# Altium PCB WL_RFFC.PcbDoc (part 3 of 3)
Units mm, origin at the board's own origin, x right, y up, seen from the top; angles counter-clockwise.
Board outline 175.23 x 130 mm, 2 copper layers (Top Layer, Bottom Layer), stack 1.57 mm thick; 373 components, 223 nets, 1150 pads, 1060 vias.
Unrouted connection lines stored in the file: 1.
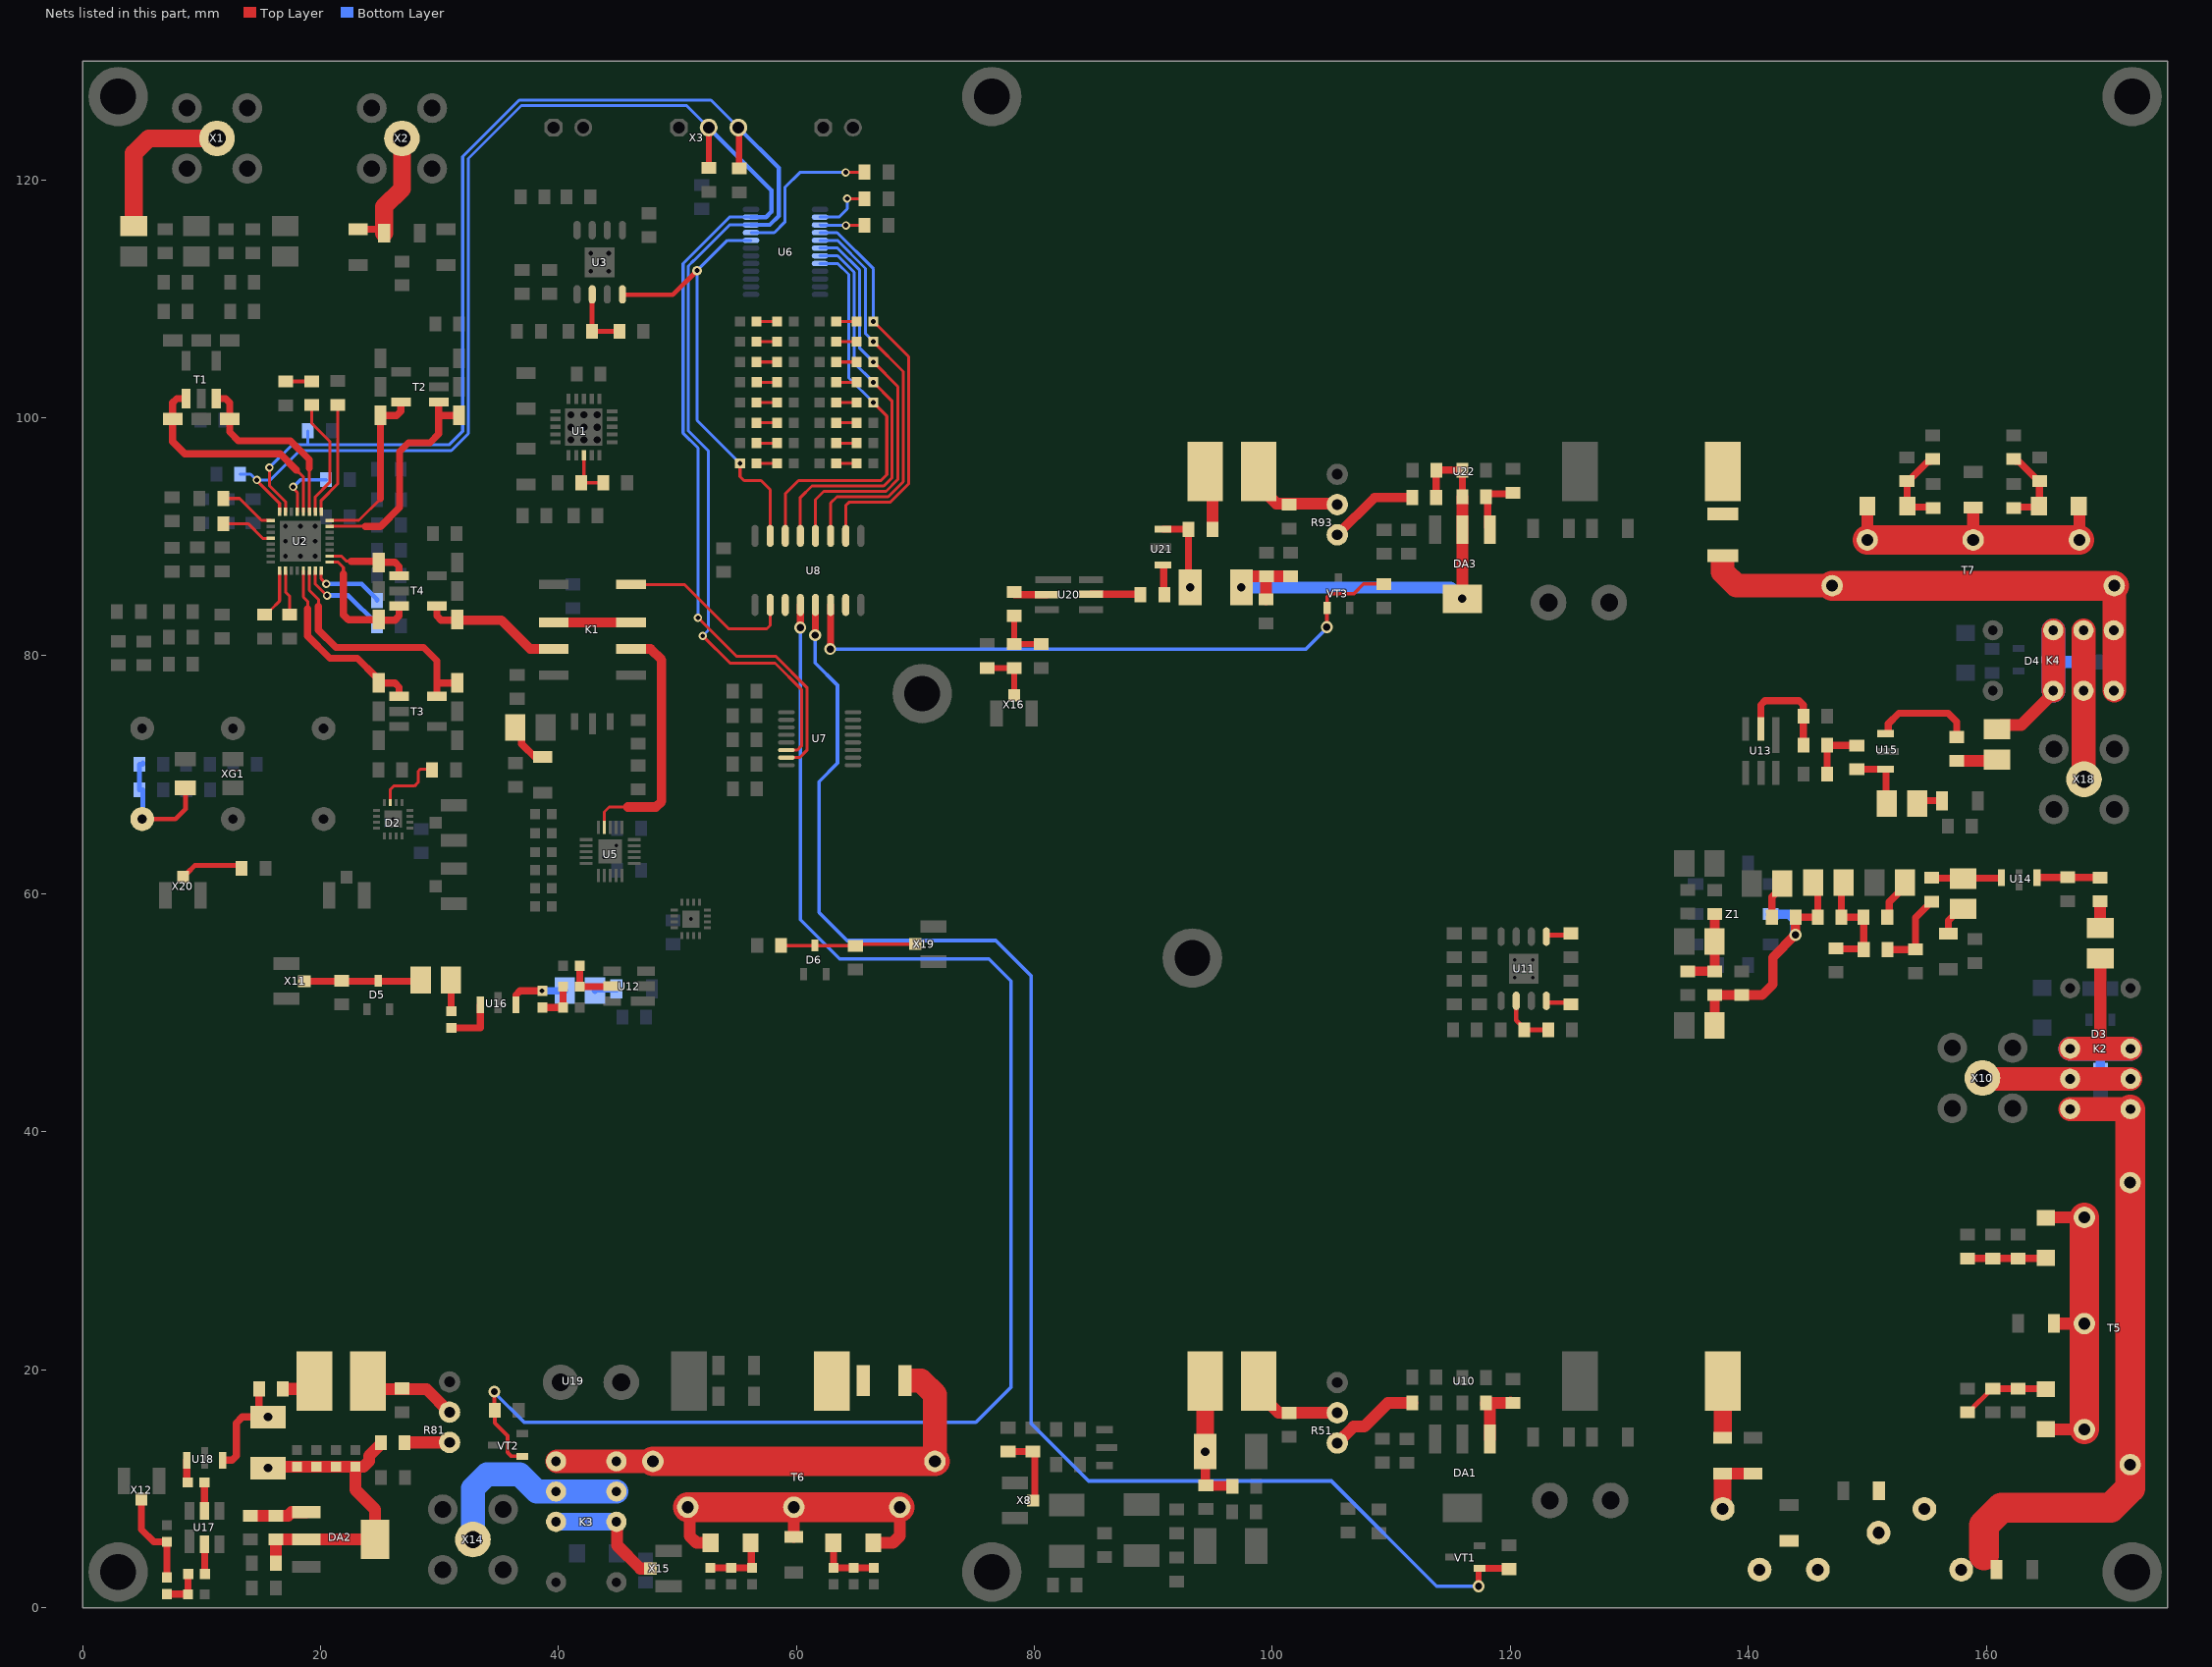
[diagram p3: the nets of this part, all layers, seen from the top]

## Via types
v1: diameter 0.6, hole 0.5, Top Layer to Bottom Layer, tented both sides, 413 vias
v2: diameter 0.6, hole 0.3, Top Layer to Bottom Layer, 380 vias
v3: diameter 1, hole 0.6, Top Layer to Bottom Layer, tented both sides, 135 vias
v4: diameter 0.7, hole 0.4, Top Layer to Bottom Layer, tented both sides, 63 vias
v5: diameter 1.2, hole 0.7, Top Layer to Bottom Layer, tented both sides, 51 vias
v6: diameter 1.27, hole 0.711, Top Layer to Bottom Layer, 12 vias
v7: diameter 0.8, hole 0.5, Top Layer to Bottom Layer, tented both sides, 2 vias
v8: diameter 0.6, hole 0.3, Top Layer to Bottom Layer, tented both sides, 1 vias
v9: diameter 0.8, hole 0.4, Top Layer to Bottom Layer, tented both sides, 1 vias
v10: diameter 1.2, hole 0.6, Top Layer to Bottom Layer, tented both sides, 1 vias
v11: diameter 1.3, hole 0.8, Top Layer to Bottom Layer, tented both sides, 1 vias

## Nets (pads, with @x,y where several pads share a name; then routed paths per layer and width w, separated by ;. In a path a pad name is that pad's centre, name@x,y a point inside that pad or via, vN(x,y) a via of type N, cw(c..) or ccw(c..) an arc to the next point about the centre after c; other vN are vias at no path point) (continued)
NetC73_2: C73.2 C76.2 L8.1 U10.1 | length 11.1
  Top Layer w0.8: v6(94.346,13.12) 94.381,13.085 94.381,10.319 C73.2@94.415,10.285 94.462,10.238 96.59,10.238 C76.2@96.637,10.191
  Top Layer w1.5: v6(94.346,13.12) 94.348,13.122 94.348,19.048 U10.1@94.35,19.05
NetC78_2: C78.2 R51.2 U10.2 | length 8.3
  Top Layer w1: U10.2@98.85,19.05 98.85,18.05 100.52,16.38 R51.2@105.453,16.38
NetC80_1: C80.1 C81.2 L9.1 | length 5
  Top Layer w1: C80.1@137.836,11.266 C81.2@140.391,11.266
  Top Layer w1.5: L9.1@137.843,8.298 C80.1@137.843,10.792
NetC80_2: C80.2 U10.4 | length 4.3
  Top Layer w1.5: 137.85,14.775 U10.4@137.85,19.05
NetC82_2: C82.2 L9.2 L10.1
NetC83_2: C83.2 L10.2 L11.1
NetC84_2: C84.2 L11.2 T5.1 | length 18.1
  Top Layer w2.5: 159.8,4.4 159.8,6.936 161.264,8.4 170.45,8.4 172.088,10.038 T5.1@172.088,12.025
NetC85_2: C85.2 R53.1 R54.2 VD18.2 | length 8.1
  Top Layer w0.2: R53.1@158.427,16.412 158.539,16.412 158.939,16.812 R53.1@158.939,16.882 ; C85.2@160.023,18.008 160.023,18.012 160.423,18.412 C85.2@160.548,18.412
  Top Layer w0.4: R53.1@158.939,16.882 160.123,18.066 160.123,18.112 160.423,18.412 C85.2@160.548,18.412
  Top Layer w0.6: C85.2@160.584,18.399 164.968,18.399 VD18.2@165.001,18.367
NetC86_1: C86.1 R56.1 R57.1 VD19.2 | length 6.5
  Top Layer w0.6: R57.1@158.414,29.353 C86.1@160.548,29.353 ; C86.1@160.625,29.366 164.959,29.366 VD19.2@165.001,29.408
NetC91_1: C91.1 C93.2 C94.2 L13.1 | length 7.1
  Top Layer w0.8: C93.2@134.897,53.486 C94.2@137.179,53.486 C91.1@137.179,58.302
NetC92_2: C92.2 U11.1 | length 2.2
  Top Layer w0.4: U11.1@123.03,56.4 123.03,56.443 123.122,56.536 124.962,56.536 C92.2@125.098,56.672
NetC94_1: C94.1 C95.2 C98.2 C100.1 L14.1 L16.1 Z1.2 | length 22.5
  Top Layer w0.6: C98.2@143.984,58.035 C100.1@145.824,58.035 145.84,58.05 L16.1@145.84,60.912
  Top Layer w0.8: L14.1@137.162,48.945 137.15,48.957 137.171,48.978 137.171,51.477 C94.1@137.179,51.486 C95.2@139.431,51.486 141.161,51.486 142.05,52.375 142.05,54.642 v3(143.956,56.549) 143.97,56.562 143.97,58.021 C98.2@143.984,58.035
  Bottom Layer w0.8: Z1.2@141.871,58.286 143.414,58.286 143.918,57.782 143.918,56.587 v3(143.956,56.549)
NetC98_1: C98.1 L15.1 | length 3.2
  Top Layer w0.6: C98.1@141.984,58.035 141.984,59.716 142.848,60.58 L15.1@142.848,60.85
NetC100_2: C100.2 C101.2 L16.2 R61.1 R64.2 | length 9
  Top Layer w0.6: R61.1@147.353,55.412 147.403,55.362 149.643,55.362 R64.2@149.684,55.321 ; L16.2@147.824,60.076 C100.2@147.824,58.035 C101.2@149.675,58.035 149.684,58.026 R64.2@149.684,55.321 ; R64.2@149.693,55.312 R64.2@149.684,55.321
NetC101_1: C101.1 L17.2 | length 2.6
  Top Layer w0.6: C101.1@151.841,57.925 151.841,59.322 L17.2@152.706,60.186
NetC102_1: C102.1 R65.1 R68.1 | length 4.9
  Top Layer w0.6: R68.1@146.629,70.058 R65.1@146.629,72.494 146.644,72.479 149.106,72.479 C102.1@149.121,72.464
NetC102_2: C102.2 L19.2 U15.3 | length 5.4
  Top Layer w0.6: C102.2@149.121,70.464 149.125,70.461 U15.3@151.527,70.461 151.577,70.461 151.577,67.622 L19.2@151.627,67.572
NetC103_1: C103.1 R66.1 R69.1 | length 3.5
  Top Layer w0.6: C103.1@38.647,50.448 38.649,50.45 40.385,50.45 R69.1@40.387,50.451 R66.1@40.387,52.196
NetC103_2: C103.2 L20.2 U16.3 | length 5.1
  Top Layer w0.6: U16.3@36.431,50.651 36.431,51.496 36.782,51.848 C103.2@38.647,51.848
  Bottom Layer w0.6: v4(38.616,51.845) 40.508,51.845 L20.2@40.522,51.859
NetC104_1: C104.1 R64.1 R67.1 | length 7
  Top Layer w0.6: R64.1@151.693,55.312 151.7,55.319 154.04,55.319 R67.1@154.047,55.327 154.047,57.993 155.072,59.017 155.072,59.142 155.272,59.342 C104.1@155.397,59.342
NetC104_2: C104.2 L18.2 U14.3 | length 6.1
  Top Layer w0.6: C104.2@155.522,61.342 C104.2@155.397,61.342 155.434,61.305 158.019,61.305 L18.2@158.056,61.267 158.106,61.317 161.257,61.317 U14.3@161.257,61.367
NetC105_2: C105.2 C107.1 U14.1 | length 5.3
  Top Layer w0.6: U14.1@164.257,61.367 164.257,61.373 C105.2@166.841,61.373 ; C105.2@166.841,61.273 C105.2@166.847,61.279 ; C105.2@166.847,61.379 166.853,61.373 169.55,61.373 C107.1@169.556,61.367
NetC106_1: C106.1 U16.1 | length 4.4
  Top Layer w0.6: C106.1@30.994,48.727 33.457,48.727 33.431,48.754 U16.1@33.431,50.651
NetC106_2: C106.2 L23.2 | length 2.6
  Top Layer w0.6: L23.2@30.974,52.756 30.984,52.746 30.984,50.138 C106.2@30.994,50.127
NetC107_2: C107.2 L21.2 | length 2.3
  Top Layer w1: C107.2@169.556,59.367 169.569,59.367 169.569,57.138 L21.2@169.582,57.125
NetC108_1: C108.1 U15.1 | length 8.8
  Top Layer w0.6: U15.1@151.527,73.461 151.765,73.461 151.765,74.296 152.648,75.179 156.796,75.179 157.513,74.462 C108.1@157.513,73.172
NetC108_2: C108.2 L22.2 | length 3.4
  Top Layer w1: C108.2@157.513,71.172 160.788,71.172 L22.2@160.901,71.285
NetC112_1: C112.1 U17.2 | length 2.1
  Top Layer w0.6: C112.1@10.271,2.821 U17.2@10.271,4.884
NetC112_2: C112.2 R76.1 R77.2 | length 3.5
  Top Layer w0.6: R76.1@7.092,1.143 7.102,1.133 8.858,1.133 R77.2@8.868,1.124 8.875,1.131 8.875,2.814 C112.2@8.882,2.821
NetC113_1: C113.1 U18.1 | length 1.9
  Top Layer w0.6: U18.1@8.775,12.4 8.775,10.605 C113.1@8.856,10.524
NetC113_2: C113.2 U17.5 | length 1.9
  Top Layer w0.6: U17.5@10.239,8.583 C113.2@10.239,10.524
NetC114_2: C114.2 C115.1 C116.2 C117.1 C118.1 DA2.2 DA2.4 FB5.1 L24.2 R79.2 | length 27.6
  Top Layer w1: v6(15.592,11.731) 15.705,11.844 C114.2@18.029,11.844 C115.1@19.667,11.844 C117.1@21.304,11.844 C118.1@22.941,11.844 ; C116.2@16.253,3.928 R79.2@16.253,5.732 16.378,5.732 16.383,5.727 DA2.2@18.794,5.727 DA2.4@24.594,5.727 24.594,8.256 22.941,9.909 C118.1@22.941,11.844 ; FB5.1@25.069,13.865 25.069,13.74 24.098,12.769 24.098,12.323 23.619,11.844 C118.1@22.941,11.844
NetC119_1: C119.1 U19.1 | length 2.9
  Top Layer w1: C119.1@16.835,18.382 18.816,18.382 U19.1@19.484,19.05
NetC119_2: C119.2 L24.1 U18.3 | length 9.6
  Top Layer w0.6: U18.3@11.775,12.4 12.574,12.4 12.925,12.751 12.925,15.525 13.431,16.031 L24.1@15.485,16.031 ; C119.2@14.835,18.382 14.835,16.681 L24.1@15.485,16.031 ; v6(15.592,16.031) L24.1@15.485,16.031
NetC120_2: C120.2 R81.2 U19.2 | length 7.9
  Top Layer w1: U19.2@23.984,19.05 24.659,18.375 26.925,18.375 28.903,18.375 R81.2@30.847,16.431
NetC125_1: C125.1 T6.1 | length 8.2
  Top Layer w2: C125.1@69.588,19.093 70.467,19.093 71.638,17.921 T6.1@71.638,12.296
NetC125_2: C125.2 U19.4
NetC126_2: C126.2 R83.1 R84.2 VD21.2 | length 5.5
  Top Layer w0.6: VD21.2@63.106,5.451 63.114,5.444 63.114,3.361 R84.2@63.121,3.354 C126.2@64.812,3.354 R83.1@66.503,3.354
NetC127_1: C127.1 R86.1 R87.1 VD22.2 | length 5.6
  Top Layer w0.6: C127.1@52.771,3.354 R86.1@54.517,3.354 R87.1@56.264,3.354 56.203,3.415 56.203,5.39 VD22.2@56.142,5.451
NetC129_1: C129.1 U20.2 | length 2.8
  Top Layer w0.6: C129.1@78.303,85.146 78.307,85.141 U20.2@81.054,85.141
NetC129_2: C129.2 R88.1 R89.2 | length 4.7
  Top Layer w0.5: R88.1@78.297,80.975 C129.2@78.296,83.362 ; R88.1@78.297,80.975 R89.2@80.564,80.975
NetC130_1: C130.1 U21.1 | length 2.6
  Top Layer w0.6: U21.1@90.815,87.637 90.865,87.637 90.865,85.187 C130.1@90.915,85.137
NetC130_2: C130.2 U20.5 | length 4.2
  Top Layer w0.6: U20.5@84.753,85.173 88.88,85.173 C130.2@88.915,85.137
NetC131_2: C131.2 C132.1 C133.2 C134.1 C135.1 DA3.2 DA3.4 FB6.1 L25.2 R91.2 | length 40.9
  Top Layer w0.6: FB6.1@113.76,93.3 113.769,93.309 113.769,95.598 C131.2@113.779,95.607 C133.2@115.963,95.607 115.969,95.601 R91.2@115.969,93.353
  Top Layer w1: v6(97.392,85.749) 97.392,86.224 97.842,86.674 C134.1@99.47,86.674 ; C132.1@99.47,84.729 C134.1@99.47,86.674 ; C135.1@101.53,86.674 C134.1@99.497,86.674 C134.1@99.47,86.674 ; R91.2@115.956,93.353 115.956,84.819 DA3.4@115.975,84.8
  Bottom Layer w1: v6@97.465,85.749 114.988,85.749 v5(115.937,84.8)
NetC136_1: C136.1 U22.1 | length 5.1
  Top Layer w1: U22.1@94.35,95.5 94.954,94.896 C136.1@94.954,90.626
NetC136_2: C136.2 L25.1 U21.3 | length 7.1
  Top Layer w0.6: U21.3@90.815,90.637 92.943,90.637 C136.2@92.954,90.626 92.954,85.887 v6(93.092,85.749)
NetC137_2: C137.2 R93.2 U22.2 | length 8.3
  Top Layer w1: U22.2@98.671,95.455 98.671,94.455 100.341,92.785 R93.2@105.274,92.785
NetC142_1: C142.1 T7.1 | length 10.6
  Top Layer w2: C142.1@137.835,87.931 137.835,87.063 139.007,85.891 T7.1@147.046,85.891
NetC142_2: C142.2 U22.4
NetC143_2: C143.2 R95.1 R96.2 VD24.2 | length 7.3
  Top Layer w0.6: R95.1@155.499,96.535 155.299,96.335 155.104,96.335 153.452,94.682 R96.2@153.327,94.682 153.339,94.67 153.339,92.6 VD24.2@153.351,92.588 153.429,92.509 155.447,92.509 C143.2@155.526,92.431
NetC144_1: C144.1 R98.1 R99.1 VD25.2 | length 7.3
  Top Layer w0.6: C144.1@162.289,92.431 162.367,92.509 164.349,92.509 VD25.2@164.428,92.588 164.463,92.623 164.463,94.647 R98.1@164.498,94.682 164.373,94.682 162.72,96.335 162.489,96.335 R99.1@162.289,96.535
NetC147_2: C147.2 X20.1 | length 5.5
  Top Layer w0.3: X20.1@8.45,61.387 8.45,61.412 8.8,61.763 X20.1@8.825,61.763 ; C147.2@13.025,62.2 C147.2@13.375,61.85
  Top Layer w0.4: X20.1@8.825,61.763 9.437,62.375 C147.2@13.025,62.375
NetC148_2: C148.2 D6.3 R28.2 X19.1 | length 11.4
  Top Layer w0.3: C148.2@58.7,55.65 D6.3@61.55,55.65 64.925,55.65 R28.2@64.95,55.625 65.1,55.775 X19.1@69.988,55.775
NetD5_3: D5.3 L23.1 R75.2 X11.1 | length 9.8
  Top Layer w0.6: X11.1@18.655,52.652 28.32,52.652 L23.1@28.424,52.756
NetDA1_1: DA1.1 R49.1 R50.2 | length 5.2
  Top Layer w1: DA1.1@118.275,14.175 118.275,16.78 117.963,17.092 R49.1@117.963,17.217 118.275,17.217 119.995,17.217 R50.2@119.995,17.229
NetDA2_1: DA2.1 R79.1 R80.2 | length 4.8
  Top Layer w1: R80.2@14.116,7.732 R79.1@16.253,7.732 17.27,7.732 17.565,8.027 DA2.1@18.794,8.027
NetDA3_1: DA3.1 R91.1 R92.2 | length 5.3
  Top Layer w0.6: DA3.1@118.275,90.6 118.1,90.775 118.1,93.209 R91.1@117.956,93.353 117.956,93.407 118.156,93.607 120.111,93.607 R92.2@120.211,93.707
NetFB4_2: FB4.2 R51.1 | length 7.7
  Top Layer w1: R51.1@105.453,13.84 106.831,15.217 107.708,15.217 109.708,17.217 FB4.2@111.76,17.217
NetFB5_2: FB5.2 R81.1 | length 3.8
  Top Layer w1: FB5.2@27.069,13.865 27.069,13.891 R81.1@30.847,13.891
NetFB6_2: FB6.2 R93.1 | length 7.5
  Top Layer w0.8: R93.1@105.453,90.169 108.584,93.3 FB6.2@111.691,93.3
NetK1_2: K1.2 K1.7 | length 6.5
  Top Layer w0.8: K1.2@39.607,82.8 K1.7@46.107,82.8
NetK1_6: K1.6 U5.14 | length 21.3
  Top Layer w0.25: U5.14@43.85,65.575 43.85,66.875 44.262,67.287 45.837,67.287
  Top Layer w0.8: 45.837,67.287 48.193,67.287 48.661,67.756 48.661,79.655 47.741,80.575 K1.6@46.107,80.575
NetK2_4: K2.4 X10.1 | length 12.3
  Top Layer w2: X10.1@159.825,44.516 159.896,44.445 K2.4@166.978,44.445 ; K2.4@167.043,44.442 K2.4@172.123,44.442
NetK2_5: K2.5 T5.5 | length 11.2
  Top Layer w2: K2.5@167.043,41.902 K2.5@172.123,41.902
  Top Layer w2.5: T5.5@172.088,35.725 K2.5@172.088,41.867
NetK3_3: K3.3 X15.1 | length 10.7
  Top Layer w1: K3.3@44.876,7.221 44.925,7.173 44.925,5.25 46.89,3.285 X15.1@47.726,3.285
  Bottom Layer w1.5: K3.3@39.796,7.221 K3.3@44.876,7.221
NetK3_4: K3.4 X14.1 | length 17.4
  Bottom Layer w2: X14.1@32.814,5.727 32.814,10.028 33.985,11.2 36.733,11.2 38.172,9.761 K3.4@39.796,9.761 K3.4@44.876,9.761
NetK3_5: K3.5 T6.5 | length 8
  Top Layer w2: K3.5@39.902,12.296 T6.5@47.938,12.296
NetK4_4: K4.4 X18.1 | length 12.5
  Top Layer w2: K4.4@168.171,82.146 K4.4@168.171,77.066 168.171,69.664 X18.1@168.211,69.624
NetK4_5: K4.5 T7.5 | length 8.8
  Top Layer w2: K4.5@170.746,77.101 T7.5@170.746,85.891
NetL1_1: L1.1 X1.1 | length 13.6
  Top Layer w1.5: L1.1@4.316,116.105 4.316,122.241 5.562,123.487 X1.1@11.308,123.487
NetL4_1: L4.1 R22.1 | length 3.3
  Top Layer w0.6: L4.1@36.361,73.983 36.911,73.433 36.911,72.599 R22.1@38.117,71.392
NetL18_1: L18.1 R70.1 | length 2.8
  Top Layer w0.6: R70.1@156.807,56.662 156.807,57.737 157.786,58.717 L18.1@158.056,58.717
  Top Layer w1: L18.1@158.014,58.674 L18.1@158.056,58.717
NetL19_1: L19.1 R71.1 | length 2.2
  Top Layer w0.6: L19.1@154.177,67.572 154.43,67.825 R71.1@156.28,67.825
NetL20_1: L20.1 R72.1 | length 1.9
  Bottom Layer w0.6: L20.1@43.072,51.859 43.209,51.996 R72.1@44.867,51.996
NetR1_1: R1.1 R4.1 X2.1 | length 10.8
  Top Layer w0.6: R1.1@23.171,115.847 25.15,115.847 R4.1@25.35,115.647
  Top Layer w1.5: R4.1@25.35,115.52 25.35,115.647 25.35,117.75 26.85,119.25 X2.1@26.85,123.487
NetR2_1: R2.1 R3.2 U1.3 | length 4.3
  Top Layer w0.3: U1.3@42.15,96.85 42.15,94.767 R2.1@41.919,94.536 R3.2@43.776,94.536
NetR6_1: R6.1 U2.1 | length 4.8
  Top Layer w0.25: R6.1@11.824,93.223 13.202,93.223 15.047,91.378 U2.1@15.838,91.378
NetR7_1: R7.1 U2.15 | length 7.8
  Top Layer w0.25: U2.15@19.563,87.153 19.563,86.026 20.539,85.05 v4@20.55,85.05
  Bottom Layer w0.4: v4@20.57,85.063 22.342,85.063 24.756,82.65 R7.1@24.756,82.525
  other v4: 20.545,85.063
NetR8_1: R8.1 U2.16 | length 6
  Top Layer w0.25: U2.16@20.063,87.153 20.063,86.462 v4@20.4,86.125
  Bottom Layer w0.4: v4@20.527,86.042 23.463,86.042 24.738,84.768 R8.1@24.738,84.643
  other v4: 20.502,86.042
NetR9_1: R9.1 U2.25 | length 9.6
  Top Layer w0.25: U2.25@20.063,92.103 20.063,93.063 21.439,94.439 R9.1@21.439,101.093
NetR10_1: R10.1 U2.29 | length 5.2
  Top Layer w0.25: v4(17.7,94.2) 17.7,94.078 18.063,93.715 U2.29@18.063,92.103
  Bottom Layer w0.3: v4@17.725,94.2 18.321,94.796 R10.1@20.464,94.796
NetR11_1: R11.1 U2.4 | length 4.5
  Top Layer w0.25: R11.1@11.824,91.108 13.917,91.108 15.147,89.878 U2.4@15.838,89.878
NetR12_1: R12.1 U2.26 | length 10.1
  Top Layer w0.25: R12.1@19.269,101.067 19.269,99.531 20.775,98.025 20.775,94.575 19.563,93.363 U2.26@19.563,92.103
NetR12_2: R12.2 VD1.1 | length 2.2
  Top Layer w0.3: VD1.1@17.078,103.055 17.09,103.067 R12.2@19.269,103.067
NetR13_1: R13.1 U2.9 | length 4.3
  Top Layer w0.25: R13.1@15.305,83.454 15.43,83.454 15.805,83.829 15.805,83.843 16.563,84.602 U2.9@16.563,87.153
NetR18_2: R18.2 R19.2 XG1.1@5.023,66.282 XG1.1@8.648,68.902 | length 10.5
  Top Layer w0.4: XG1.1@5.023,66.282 7.807,66.282 8.648,67.123 XG1.1@8.648,68.902
  Bottom Layer w0.4: R18.2@4.785,68.735 R19.2@4.785,70.878 ; XG1.1@5.048,66.282 5.059,66.293 R18.2@5.059,68.735 ; R19.2@5.059,70.879 R19.2@5.059,71.004
NetR20_1: R20.1 R21.2 U3.6 | length 5.4
  Top Layer w0.4: U3.6@42.834,110.376 42.832,110.375 42.832,107.283 R20.1@42.831,107.281 R21.2@45.129,107.281
NetR25_2: R25.2 U6.21 | length 13.3
  Top Layer w0.25: v4(64.145,120.632) 65.7,120.632 R25.2@65.731,120.663
  Bottom Layer w0.25: U6.21@56.183,115.566 58.141,115.566 59.025,116.45 59.025,119.35 60.325,120.65 v4@64.1,120.65
NetR26_2: R26.2 U6.2 | length 4.9
  Top Layer w0.25: v4(64.269,118.424) 65.726,118.424 R26.2@65.731,118.419
  Bottom Layer w0.25: U6.2@61.983,116.866 63.566,116.866 64.269,117.569 v4(64.269,118.424)
NetR27_2: R27.2 U6.3 | length 3.8
  Top Layer w0.25: v4(64.162,116.169) 65.709,116.169 R27.2@65.731,116.191
  Bottom Layer w0.25: U6.3@61.983,116.216 62.006,116.192 64.139,116.192 v4(64.162,116.169)
NetR30_2: R30.2 VD2.1 | length 1.7
  Top Layer w0.25: VD2.1@63.341,108.101 R30.2@65.059,108.101
NetR31_2: R31.2 VD3.1 | length 1.7
  Top Layer w0.25: VD3.1@63.341,106.397 R31.2@65.059,106.397
NetR32_2: R32.2 VD4.1 | length 1.7
  Top Layer w0.25: VD4.1@63.341,104.692 R32.2@65.059,104.692
NetR33_2: R33.2 VD5.1 | length 1.7
  Top Layer w0.25: VD5.1@63.341,102.988 R33.2@65.059,102.988
NetR34_2: R34.2 VD6.1 | length 1.7
  Top Layer w0.25: VD6.1@63.341,101.283 R34.2@65.059,101.283
NetR35_2: R35.2 VD7.1 | length 1.7
  Top Layer w0.25: VD7.1@63.341,99.579 R35.2@65.059,99.579
NetR36_2: R36.2 VD8.1 | length 1.7
  Top Layer w0.25: VD8.1@63.341,97.874 R36.2@65.059,97.874
NetR37_2: R37.2 VD9.1 | length 1.7
  Top Layer w0.25: VD9.1@63.346,96.175 R37.2@65.059,96.175
NetR38_2: R38.2 VD10.1 | length 1.7
  Top Layer w0.25: R38.2@56.65,108.101 VD10.1@58.383,108.101
NetR39_2: R39.2 VD11.1 | length 1.7
  Top Layer w0.25: R39.2@56.65,106.397 VD11.1@58.383,106.397
NetR40_2: R40.2 VD12.1 | length 1.7
  Top Layer w0.25: R40.2@56.65,104.692 VD12.1@58.383,104.692
NetR41_2: R41.2 VD13.1 | length 1.7
  Top Layer w0.25: R41.2@56.659,102.988 VD13.1@58.383,102.988
NetR42_2: R42.2 VD14.1 | length 1.7
  Top Layer w0.25: R42.2@56.65,101.288 VD14.1@58.383,101.288
NetR43_2: R43.2 VD15.1 | length 1.7
  Top Layer w0.25: R43.2@56.65,99.583 VD15.1@58.383,99.583
NetR44_2: R44.2 VD16.1 | length 1.7
  Top Layer w0.25: R44.2@56.65,97.879 VD16.1@58.383,97.879
NetR45_2: R45.2 VD17.1 | length 1.7
  Top Layer w0.25: R45.2@56.65,96.175 VD17.1@58.383,96.175
NetR46_2: R46.2 R47.2 X8.1 | length 6.3
  Top Layer w0.6: R46.2@77.787,13.127 R47.2@79.883,13.127 80.035,12.975 80.035,9.144 X8.1@79.894,9.003
NetR55_2: R55.2 T5.3 | length 2.6
  Top Layer w1: R55.2@165.668,23.89 165.668,23.875 T5.3@168.238,23.875
NetR58_1: R58.1 U11.8 | length 2.2
  Top Layer w0.4: U11.8@123.03,51 123.03,50.943 123.122,50.85 124.948,50.85 R58.1@125.098,50.701
NetR59_1: R59.1 R60.2 U11.6 | length 4.7
  Top Layer w0.4: U11.6@120.49,51 120.49,49.374 121.174,48.69 R59.1@121.174,48.565 R60.2@123.172,48.565
NetR62_1: R62.1 R65.2 U13.2 | length 8.9
  Top Layer w0.6: U13.2@141.042,73.857 141.042,75.874 141.393,76.225 144.274,76.225 144.625,75.874 144.625,75.575 ; R62.1@144.429,75.13 R62.1@144.629,74.93 R65.2@144.629,72.494 R65.2@144.625,72.49
NetR63_1: R63.1 R66.2 U12.5 | length 4.4
  Top Layer w0.6: R63.1@41.787,53.941 R66.2@41.787,52.196 41.791,52.2 U12.5@44.474,52.2
NetR76_2: R76.2 R78.2 X12.1 | length 8.1
  Top Layer w0.6: X12.1@4.952,9.129 4.952,6.573 5.989,5.536 R78.2@7.092,5.536 R76.2@7.092,2.543
NetR85_2: R85.2 T6.3 | length 2.5
  Top Layer w1: R85.2@59.778,5.959 59.788,5.959 T6.3@59.788,8.446
NetR88_2: R88.2 R90.2 X16.1 | length 4.6
  Top Layer w0.5: R90.2@76.031,78.975 R88.2@78.297,78.975 ; X16.1@78.296,76.676 R88.2@78.297,78.975
NetR97_2: R97.2 T7.3 | length 2.7
  Top Layer w1: T7.3@158.896,89.741 158.896,92.451 R97.2@158.909,92.451
NetT1_1: T1.1 U2.27 | length 15.8
  Top Layer w0.25: U2.27@19.063,92.103 19.063,95.687
  Top Layer w0.3: 19.025,95.725 19.063,95.687
  Top Layer w0.6: T1.1@11.241,101.612 12.02,101.612 12.371,101.26 T1.1@12.371,99.902 12.371,98.804 13.1,98.075 17.475,98.075 19.051,96.499 19.051,95.751
NetT1_3: T1.3 U2.28 | length 19.6
  Top Layer w0.25: 17.975,95.625 18.563,95.037 U2.28@18.563,92.103
  Top Layer w0.6: T1.3@7.571,99.796 7.571,98.004 8.6,96.975 16.625,96.975 17.975,95.625 ; T1.3@7.571,99.902 7.571,101.26 7.923,101.612 T1.3@8.701,101.612
NetT2_1: T2.1 U2.23 | length 19.2
  Top Layer w0.25: U2.23@20.788,90.878 23.772,90.878 23.775,90.875
  Top Layer w0.6: 23.775,90.875 25.05,90.875 26.65,92.475 26.65,97.161 27.389,97.9 29.2,97.9 29.94,98.64 29.94,100.551 T2.1@29.94,101.33 ; 30.291,100.2 T2.1@31.65,100.2
NetT2_5: T2.5 U2.24@20.788,91.378 | length 14.7
  Top Layer w0.25: U2.24@20.788,91.378 23.228,91.378 25.05,93.2
  Top Layer w0.6: 25.05,93.2 T2.5@25.05,100.2 26.409,100.2 26.76,100.551 T2.5@26.76,101.33
NetT3_1: T3.1 U2.13 | length 16.1
  Top Layer w0.25: U2.13@18.563,87.153 18.563,84.937 18.925,84.575 18.925,83.95
  Top Layer w0.6: 18.925,83.95 18.925,81.675 20.8,79.8 23.1,79.8 24.655,78.245 24.699,78.245 24.899,78.045 T3.1@24.899,77.72 26.257,77.72 26.609,77.368 T3.1@26.609,76.59
NetT3_5: T3.5 U2.14 | length 21.1
  Top Layer w0.25: U2.14@19.063,87.153 19.063,85.512 19.825,84.75 19.825,84.15
  Top Layer w0.6: 19.825,84.15 19.825,82.175 21.3,80.7 28.675,80.7 29.789,79.586 29.789,77.625 ; T3.5@29.789,76.59 29.789,77.625 ; T3.5@31.499,77.72 29.884,77.72 29.789,77.625
NetT4_1: T4.1 U2.17 | length 11.2
  Top Layer w0.25: U2.17@20.788,87.878 21.472,87.878 21.925,87.425 21.925,86.875
  Top Layer w0.6: 21.925,86.875 21.925,83.45 22.35,83.025 24.869,83.025 T4.1@24.899,83.055 24.954,83 26.257,83 26.609,83.351 T4.1@26.609,84.185
NetT4_3: T4.3 U2.18 | length 7
  Top Layer w0.25: U2.18@20.788,88.378 21.772,88.378 22.2,87.95 22.575,87.95
  Top Layer w0.6: 22.575,87.95 24.804,87.95 T4.3@24.899,87.855 26.257,87.855 26.609,87.504 T4.3@26.609,86.725
NetT5_2: T5.2 VD18.1 | length 3.3
  Top Layer w1: VD18.1@165.001,15.017 165.022,14.996 168.217,14.996 T5.2@168.238,14.975
NetT5_4: T5.4 VD19.1 | length 3.3
  Top Layer w0.6: VD19.1@165.001,32.758 VD19.1@165.043,32.8
  Top Layer w1: VD19.1@165.043,32.8 T5.4@168.238,32.8
NetT6_2: T6.2 VD21.1 | length 4.9
  Top Layer w1: VD21.1@66.456,5.451 68.103,5.451 68.688,6.037 T6.2@68.688,8.446
NetT6_4: T6.4 VD22.1 | length 4.5
  Top Layer w1: T6.4@50.863,8.446 51.016,8.293 51.016,6.037 51.602,5.451 VD22.1@52.792,5.451
NetT7_2: T7.2 VD24.1 | length 2.8
  Top Layer w1: T7.2@149.996,89.741 149.996,92.583 VD24.1@150.001,92.588
NetT7_4: T7.4 VD25.1 | length 2.9
  Top Layer w1: VD25.1@167.778,92.588 167.821,92.545 T7.4@167.821,89.741
OD_1.2G: R82.1 U8.12 VT2.1 | length 133
  Top Layer w0.3: v3(34.617,18.166) 34.617,16.612 R82.1@34.651,16.578 34.651,15.524 35.725,14.45 35.725,13.05 36.055,12.72 VT2.1@36.969,12.72
  Top Layer w0.6: v3@60.325,82.425 60.331,82.431 U8.12@60.331,84.278
  Bottom Layer w0.3: v3@34.6,18.1 37.125,15.575 75.075,15.575 78.025,18.525 78.025,52.679 76.179,54.525 63.625,54.525 60.328,57.822 v3(60.328,82.375)
OD_144: R52.1 U8.13 VT1.1 | length 132.2
  Top Layer w0.5: v3(117.325,1.8) 117.325,3.248 117.375,3.298 VT1.1@117.41,3.298
  Top Layer w0.6: v3(61.575,81.725) 61.601,81.751 U8.13@61.601,84.278 ; VT1.1@117.41,3.298 119.831,3.298 R52.1@119.881,3.248
  Bottom Layer w0.3: v3(61.575,81.725) 61.575,79.4 63.45,77.525 63.45,70.975 61.9,69.425 61.9,58.432 64.257,56.075 76.75,56.075 79.721,53.104 79.721,15.479 84.55,10.65 104.95,10.65 113.8,1.8 v3(117.325,1.8)
OD_430: R94.1 U8.14 VT3.1 | length 54
  Top Layer w0.3: v3(104.569,82.408) 104.583,82.422 104.583,84.007 VT3.1@104.597,84.021 104.597,84.947 104.875,85.225 106.85,85.225 107.662,86.037 R94.1@109.392,86.037
  Top Layer w0.4: v3(62.843,80.564) v3@62.871,80.592
  Top Layer w0.6: v3@62.871,80.592 U8.14@62.871,84.278
  Bottom Layer w0.3: v3(62.843,80.564) 102.814,80.564 v3@104.575,82.325
OD_FM: U8.15
OD_PGA: K1.8 U8.10@57.791,84.278 | length 15.1
  Top Layer w0.25: K1.8@46.107,86 50.575,86 54.3,82.275 57.5,82.275 57.791,82.566 U8.10@57.791,84.278
OD_WB: U8.11
PGA_ON: R45.1 U3.8 U6.20 U8.7 | length 38.8
  Top Layer w0.25: v4(55.261,96.177) 55.261,95.064 55.6,94.725 57.025,94.725 57.791,93.959 U8.7@57.791,90.078
  Top Layer w0.4: U3.8@45.374,110.376 45.428,110.376 45.467,110.338 49.613,110.338 v9(51.65,112.375)
  Bottom Layer w0.25: v4(55.261,96.177) 51.65,99.788 v9(51.65,112.375) ; U6.20@56.183,114.916 54.191,114.916 51.763,112.488 v9@51.538,112.488 ; v9@51.538,112.488 v9(51.65,112.375) ; v9@51.538,112.487 v9(51.65,112.375)
PP_1.2G: R33.1 U6.7 U8.5 | length 33.7
  Top Layer w0.25: U8.5@60.331,90.078 60.331,93.306 61.3,94.275 67.341,94.275 68.046,94.98 68.046,101.401 66.47,102.977 v4(66.47,102.991)
  Bottom Layer w0.25: U6.7@61.983,113.616 63.468,113.616 64.85,112.234 64.85,104.611 v4(66.47,102.991)
PP_144: R32.1 U6.6 U8.4 | length 33.7
  Top Layer w0.25: U8.4@61.601,90.078 61.601,93.126 62.3,93.825 67.527,93.825 68.525,94.823 68.525,102.626 66.47,104.681 v4(66.47,104.695)
  Bottom Layer w0.25: U6.6@61.983,114.266 63.454,114.266 65.325,112.395 65.325,105.84 v4(66.47,104.695)
PP_430: R31.1 U6.5 U8.3 | length 33.6
  Top Layer w0.25: U8.3@62.871,90.078 62.871,92.846 63.4,93.375 67.714,93.375 68.975,94.636 68.975,103.881 66.47,106.386 v4(66.47,106.4)
  Bottom Layer w0.25: U6.5@61.983,114.916 63.441,114.916 65.8,112.557 65.8,108.775 65.795,108.77 65.795,107.075 v4(66.47,106.4)
PP_FM: R30.1 U6.4 U8.2 | length 33.6
  Top Layer w0.25: U8.2@64.141,90.078 64.141,92.616 64.45,92.925 67.9,92.925 69.425,94.45 69.425,105.135 66.47,108.09 v4(66.47,108.104)
  Bottom Layer w0.25: U6.4@61.983,115.566 63.427,115.566 66.47,112.523 v4(66.47,108.104)
PP_WB: R34.1 U6.8 U8.6 | length 33.7
  Top Layer w0.25: U8.6@59.061,90.078 59.061,93.611 60.175,94.725 67.1,94.725 67.596,95.221 67.596,100.147 66.47,101.272 v4(66.47,101.286)
  Bottom Layer w0.25: U6.8@61.983,112.966 63.482,112.966 64.4,112.047 64.4,103.356 v4(66.47,101.286)
RF_IN_144: D3.3 K2.3 L21.1 R73.2 | length 19.5
  Top Layer w1: 169.35,46.982 169.582,47.215 L21.1@169.582,54.575
  Top Layer w2: K2.3@167.043,46.982 169.35,46.982 K2.3@172.123,46.982
  Bottom Layer w0.8: D3.3@169.59,47.01 169.59,46.982 169.59,45.319 R73.2@169.595,45.314
  Bottom Layer w2: K2.3@167.043,46.982 169.59,46.982 K2.3@172.123,46.982
RF_IN_430: D4.3 K4.3 L22.1 R74.2 | length 18.4
  Top Layer w1: L22.1@160.901,73.835 161.251,74.185 162.939,74.185 165.631,76.876 K4.3@165.631,77.066
  Top Layer w2: K4.3@165.631,77.066 K4.3@165.631,82.146
  Bottom Layer w1: 165.631,79.525 165.675,79.481 R74.2@167.656,79.481
  Bottom Layer w2: K4.3@165.631,77.066 165.631,79.525 K4.3@165.631,82.146
"RX_IN_ PGA": K1.3 T4.6 | length 11.8
  Top Layer w0.6: T4.6@29.789,84.185 29.789,83.351 30.14,83 T4.6@31.444,83
  Top Layer w0.8: T4.6@31.444,83 35.2,83 37.625,80.575 K1.3@39.607,80.575
SCL: C15.2 R24.2 U2.31 U6.22 U7.14 X3.3 | length 142.1
  Top Layer w0.25: v4(15.707,95.825) 15.707,94.308 17.063,92.951 U2.31@17.063,92.103 ; v4(52.125,81.675) 54.424,79.376 58.212,79.376 60.425,77.164 60.425,72.425 60.077,72.077 U7.14@59.154,72.077
  Top Layer w0.5: X3.3@55.175,124.399 55.175,120.988 R24.2@55.21,120.954
  Bottom Layer w0.25: v4(15.707,95.825) 17.607,97.725 18.925,97.725 ; C15.2@18.948,98.911 18.948,97.748 18.925,97.725 ; v4(52.125,81.675) 52.6,82.15 52.6,97.225 50.925,98.9 50.925,112.75 50.95,112.775 50.95,112.8 51.375,113.225 51.4,113.225 54.391,116.216 U6.22@56.183,116.216 ; X3.3@55.125,124.399 52.824,126.7 36.7,126.7 31.95,121.95 31.95,98.872 30.803,97.725 18.925,97.725
  Bottom Layer w0.35: X3.3@55.125,124.399 58.525,120.999 58.525,116.975 57.766,116.216 U6.22@56.183,116.216
SDA: C11.2 R23.2 U2.32 U6.23 U7.15 X3.2 | length 141.4
  Top Layer w0.25: v4@14.623,94.755 16.563,92.815 U2.32@16.563,92.103 ; v4(51.725,83.2) 54.95,79.975 58.25,79.975 60.875,77.35 60.875,72.05 60.267,71.442 U7.15@59.154,71.442
  Top Layer w0.5: X3.2@52.645,124.399 52.645,121.005 R23.2@52.648,121.002
  Bottom Layer w0.25: C11.2@13.249,95.257 14.124,95.257 14.605,94.775 v4(14.656,94.775) 15.775,94.775 18.25,97.25 31,97.25 32.425,98.675 32.425,121.789 36.886,126.25 50.774,126.25 X3.2@52.625,124.399 ; v4(51.725,83.2) 51.725,97.464 50.475,98.714 50.475,112.962 54.379,116.866 U6.23@56.183,116.866
  Bottom Layer w0.35: X3.2@52.625,124.399 57.9,119.124 57.9,117.325 57.441,116.866 U6.23@56.183,116.866
TX_SW_OUT: C34.1 D2.11 | length 5.9
  Top Layer w0.25: D2.11@25.861,67.665 25.861,68.762 26.148,69.05 27.9,69.05 28.225,69.375 28.225,70.304 28.371,70.451 29.349,70.451 C34.1@29.387,70.413
XTALP: C38.1 U2.10 | length 3.8
  Top Layer w0.25: U2.10@17.063,87.153 17.063,85.362 17.41,85.015 C38.1@17.41,83.454
pads on no net: D1. D2. D3. D4. D5. D6. DA1. DA2. DA3. R51.4 R81.4 R93.4 T1.5 T2.2 T2.6 T3.2 T3.6 T4.5 T5. T6. T7. U1.4 U1.5 U1.6 U1.9 U1.10 U1.21@39.95,97.05 U1.22 U2.2 U2.3 U2.11 U2.20 U2.21 U2.24@16.313,91.628 U3.2 U3.7 U3.28 U4. U5.0 U5.23 U6. U6.1 U7. U7.7 U7.8 U7.11 U8.1 U8.10@66.363,90.053 U8.16 U8.25 U9. U11.2 U11.7 U11.28 U14. U15. U16. U18. U21. VT1. VT2. VT3. X3.28 X4.23 X4.24 X21.23 X21.24 XG1. XG1.1@8.048,67.902

## Polygon pours and split planes (outlines as drawn)
GND on Bottom Layer "Top" (solid, remove dead copper, pour order 1): 0,130 175.225,130 175.225,0 0,0
GND on Top Layer "Top" (solid, remove dead copper, pour order 0): 0,130 175.225,130 175.225,0 0,0

## Keep-outs
Keep-Out Layer:
  lines w0.2: 5.7,22.25 76.3,22.25 ; 5.7,22.3 5.7,46.875 76.3,46.875 76.3,22.3 ; 0,0 175.225,0 175.225,130 0,130 0,0 ; 80.5,22.25 151.175,22.25 151.175,46.875 80.5,46.875 80.5,22.25 ; 80.6,98.7 150.1,98.7 151.2,98.7 151.2,123.3 80.6,123.3 80.6,98.7

## Other copper
Top Layer:
  rectangle net NetC131_2: 113.59,93.406 116.004,95.564
  rectangle net +12V_430: 123.308,88.816 128.208,98.116
  rectangle net NetC64_1: 113.786,17.2 116.2,19.358
  rectangle net +12V_144: 123.45,12.3 128.35,21.6
  rectangle net NetC6_2: 39.9,90.996 41.875,92.5
  rectangle net NetR1_1: 22.35,114.65 26.1,116.375
  region net +12V_144: 122.625,13 ccw(c122.625,10.5) 120.125,10.5 120.125,8.489 ccw(c122.665,8.489) 122.665,5.949 129.199,5.949 ccw(c129.199,8.25) 131.5,8.25 131.5,10.625 ccw(c129.125,10.625) 129.125,13 128.075,13
  region net +12V_430: 124.008,89.916 121.458,87.366 121.458,83.016 ccw(c123.458,83.016) 123.458,81.016 128.158,81.016 ccw(c128.158,82.816) 129.958,82.816 129.958,87.316 127.558,89.916
  pour cut-out: 38.635,58.308 38.635,67.313 39.162,67.313 39.175,67.3 39,67.125 39,58.325
  pour cut-out: 27.5,105.325 29.455,105.325 29.543,105.237 29.379,105.072 29.379,104.84 27.615,104.84 27.45,104.675
  pour cut-out: 26.257,72.359 30.14,72.359 30.14,72.59 30.275,72.725 29.925,73.075 26.8,73.075
  pour cut-out: 133.75,98.75 133.75,84.25 134.25,83.75 164,83.75 164.5,83.25 164.5,75.75 165.25,75 173,75 173,91.75 172.241,92.509 147.009,92.509 146,91.5 141.25,91.5 141.25,98.75
  region net NetC142_2: 139.35,93.725 139.35,91.125 136.375,91.125 136.35,91.15 136.35,93.725
  pour cut-out: 135,22.25 135,3.5 136.755,1.745 161.5,1.745 162.5,2.745 162.5,6.25 173.75,6.25 175.25,7.75 175.25,47.25 174,48.5 166,48.5 165.25,47.75 165.25,30 163.75,28.5 163.75,13.25 163,12.5 140.658,12.5 139.5,13.658 139.5,22.25
  pour cut-out: 61.102,21.844 61.25,21.696 61.25,14 39.25,14 38.25,13 38.25,5.75 38.75,5.25 46,5.25 47.5,6.75 51.25,6.75 53.25,4.75 71.25,4.75 73.25,6.75 73.25,21.75
  region net NetC125_2: 63.975,16.55 66.25,16.55 66.375,16.675 66.375,21.4 66.225,21.55 63.975,21.55
  region net +12V_1.2G: 52.3,16.55 54,16.55 54,21.55 52.3,21.55
  region net +5PGA_1: 119.8,47.9 119.8,51.8 119.7,51.9 118.4,51.9 118,51.5 113.05,51.5 113.05,49.9 116.2,49.9 116.5,49.6 116.5,47.9
  region net NetC84_2: 157,4.5 156.5,4 156.5,2.5 157,2 161.5,2 162,2.5 162,4 161.5,4.5
  region net NetC83_2: 152,5 150,5 149.5,5.5 149.5,10.3 150,10.8 152.7,10.8 153.5,10 155.5,10 156,9.5 156,7 155.2,6.2 153.2,6.2
  region net NetC82_2: 147,2 139.7,2 139.7,4.7 141.5,6.5 145.3,6.5 147,4.7
  region net NetC6_2: 40.4,93.775 40.4,91 38.1,91 38.1,94 40.4,94
  region net +12V: 41.35,119.65 41.35,117.9 42.05,117.2 42.05,114.9 41.95,114.8 40.05,114.8 38.15,116.7 38.15,119.65
  region net +5PGA: 36.25,111.1 36.45,111.3 41.85,111.3 42.05,111.1 42.05,108.6 41.65,108.2 41.65,106.5 41.45,106.3 37.75,106.3 37.65,106.4 37.65,108.8 37.35,109.1 36.45,109.1 36.25,109.3
  region net GND: 45.15,93.775 46.4,93.775 46.4,104.4 43.05,104.4 43.05,102.4 42.62,101.97 42.62,100.722 43.579,100.722 43.625,100.768 43.625,102.025 45.575,102.025 45.575,99.425 43.625,99.425 43.625,98.375 45.6,98.375 45.6,95.15 45.15,95.15
  region net GND: 38.275,96.4 36.4,96.4 36.4,101.775 38.275,101.775 38.275,100.1 40.625,100.1 40.625,98.4 38.282,98.4 38.275,98.4
  region net +5IN: 41.025,101.15 40.2,101.15 40.2,100.375 40.185,100.39 38.767,100.39 38.767,102.267 38.775,102.275 36.4,102.275 36.4,104.4 40.025,104.4 40.525,103.9 40.525,103 41.025,102.5
  region net NetC6_2: 41.025,97.3 41.025,95.9 40.4,95.9 40.4,93.775 36.4,93.775 36.4,95.9 38.775,95.9 38.775,98.125 40.2,98.125 40.2,97.3

## Silkscreen, mask and mechanical layers (free items; w line width, h text height)
Top Overlay:
  lines w0.2: 175.25,0 175.25,65
  text "+   12   -" at 60.75,128.5 h1.5
  text "ENX  SDA  SCL" at 48.141,128.449 h1.5
  text "+   5   -" at 38.515,128.389 h1.5
  text "A0" at 68.967,120.294 h1.5
  text "A1" at 68.967,117.994 h1.5
  text "A2" at 68.967,115.693 h1.5
  text "https://t.me/TRX_Wolf" at 152.82,112.472 h2.5
  text "D2.1" at 51.575,107.65 h1.5
  text "FM" at 67.525,107.65 h1.5
  text "430" at 67.525,105.962 h1.5
  text "AT16" at 50.925,105.842 h1.5
  text "144" at 67.525,104.225 h1.5
  text "AT05" at 50.95,104.217 h1.5
  text "AT1" at 51.9,102.55 h1.5
  text "1.2" at 67.525,102.47 h1.5
  text "WB" at 67.525,100.77 h1.5
  text "AT2" at 51.775,100.75 h1.5
  text "AT4" at 51.775,99.025 h1.5
  text "D1.1" at 67.525,99.02 h1.5
  text "AT8" at 51.8,97.367 h1.5
  text "D1.2" at 67.525,97.283 h1.5
  text "PGA" at 51.575,95.667 h1.5
  text "D2.2" at 67.525,95.582 h1.5
  text "TX144" at 29.002,68.546 h1.2
  text "W2 -  VHF v2" at 82.15,68.225 h3
  text "TX430" at 28.457,58.783 h1.2 r90
Top Solder:
  rectangle: 49.35,67.075 51.025,83.55
  region: 51.039,121.535 49.039,121.535 49.039,113.05 51.039,113.05
  rectangle: 34.074,119.885 51.038,121.529
  region: 51.025,110.025 49.025,110.025 49.025,87.75 51.025,87.75
  rectangle: 33.45,87.75 51,89.75
  rectangle: 33,84.025 35,130
  rectangle: 33,55.925 35,82
  region: 33.3,55.925 33.3,57.925 0,57.925 0,55.925
  rectangle: 69.319,47.267 76.395,51.042
  rectangle: 6.119,47.292 13.195,51.067
  rectangle: 6.375,18.075 13.451,21.85
  rectangle: 142.778,93.958 151.378,98.233
  rectangle: 142.778,123.718 151.378,127.993
  rectangle: 80.373,123.718 88.973,127.993
  rectangle: 80.373,93.958 88.973,98.233
  rectangle: 80.35,47.225 88.95,51.371
  rectangle: 142.603,47.225 151.203,51.371
  rectangle: 142.603,17.775 151.203,21.925
  rectangle: 80.35,17.775 88.95,21.925
  text "UA3REO" at 158.95,120.325 h3
  text "PCB: R7KBI" at 157.425,116.4 h3

## Dimensions
0,130 to 175.225,130 on Size

## Text inside footprints (layer, text, board x,y; h text height)
U13: Top Overlay "TAU692" at 139.065,70.375 h0.9 r90; Top Overlay "IN" at 140.6,72.125 h1
U20: Top Overlay "IN" at 82.85,84.725 h1 r90; Top Overlay "TAU692" at 81.525,87.285 h0.9
Z1: Bottom Overlay "OUT" at 136.422,56.901 h1.5 r270; Bottom Overlay "IN" at 139.991,57.606 h1.5 r270; Bottom Overlay "ПАВ" at 139.321,57.161 h2 r270